# Altium PCB PCB1.pcbdoc (continued)
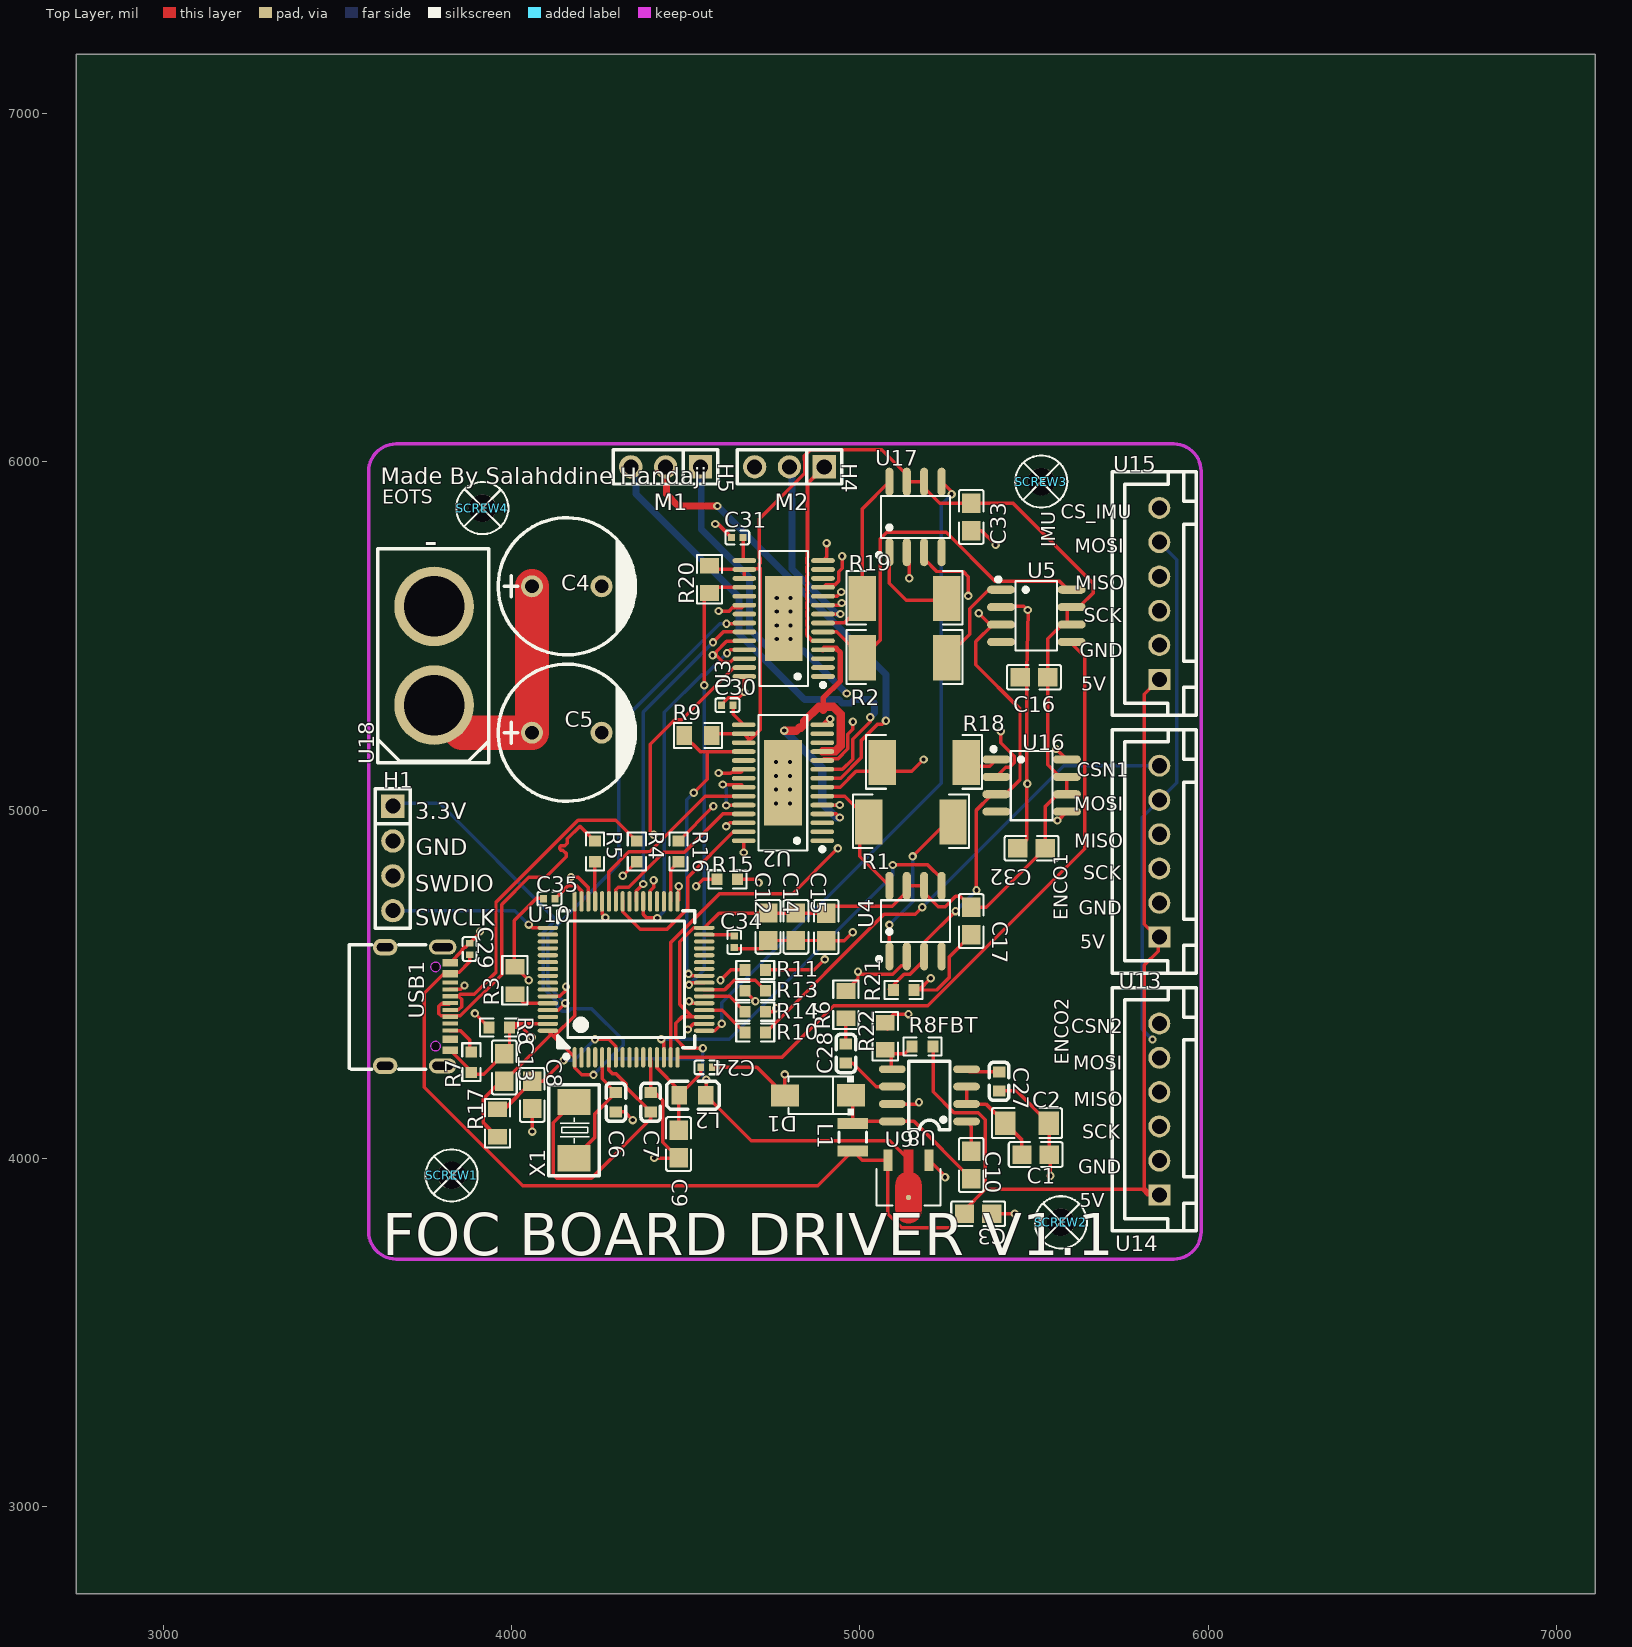
[diagram p0: Top Layer view]
## Components (designator, comment, footprint, x,y, rotation, side; value= is the part's Value field where it differs from the comment) (continued)
USB1 "TYPE-C 16PIN 2MD(073)" USB-C-SMD_TYPE-C-16PIN-2MD-073 3730.54,4436.14 r270 top
X1 "X50328MSB2GI" CRYSTAL-SMD_L5.0-W3.2 4179.45,4081.26 r90 top

## Footprints (in the part's own frame and the unit in brackets; to place one, negate y for a bottom-side part, rotate by r counter-clockwise, add the part's x,y. Pads: shape width x height; smd on the part's side, far side on the other; paste and mask are expansions set on the pad)
C0402 [mm]
  rect 0.5x0.54 smd: 1(-0.42,0) 2(0.42,0)
  silkscreen extent -0.87,-0.5 0.87,0.5
C0603 [mm]
  rect 0.8x0.9 smd: 1(-0.7,0) 2(0.7,0)
  silkscreen extent -1.39,-0.71 1.39,0.71
C0805 [mm]
  rect 1.41x1.35 smd: 1(-1,0) 2(1,0)
  silkscreen extent -1.96,-0.9 1.96,0.9
C1206 [mm]
  rect 1.485x1.728 smd: 1(-1.593,0) 2(1.593,0)
  silkscreen extent -2.56,-1.09 2.56,1.09
CAP-TH_BD10.0-P5.00-D1.0-FD [mm]
  round 1.6 hole 1: 1(-2.54,0) 2(2.54,0)
  silkscreen extent -5,-5 5.08,5
CONN-TH_6P-P2.50_ZX-XH2.54-6PZZ [mm]
  rect 1.524x1.6 hole 1.1: 1(-6.25,0)
  round 1.6 hole 1.1 copper offset 0,0: 2(-3.75,0) 4(1.25,0) 5(3.75,0) 6(6.25,0)
  round 1.6 hole 1.1: 3(-1.25,0)
  silkscreen extent -8.87,-2.68 8.87,3.42
CONN-TH_XT60 [mm]
  round 5.8 hole 4.4: 1(-3.6,0) 2(3.6,0)
  silkscreen extent -7.8,-4 7.8,4.1
CRYSTAL-SMD_L5.0-W3.2 [mm]
  rect 1.9x2.4 smd: 1(-2.05,0) 2(2.05,0)
  silkscreen extent -3.32,-1.85 3.33,1.85
HDR-TH_3P-P2.54-V-M [mm]
  rect 1.7x1.7 hole 1.1: 1(-2.54,0)
  round 1.7 hole 1.1: 2(0,0) 3(2.54,0)
  silkscreen extent -3.81,-1.25 3.81,1.25
HDR-TH_4P-P2.54-V-M [mm]
  rect 1.7x1.7 hole 1.1: 1(-3.81,0)
  round 1.7 hole 1.1: 2(-1.27,0) 3(1.27,0) 4(3.81,0)
  silkscreen extent -5.08,-1.27 5.08,1.27
HTSSOP-28_L9.8-W4.5-P0.65-LS6.6-BL-EP [mm]
  oval 0.343x1.731 smd: 1(-4.225,-2.866) 2(-3.575,-2.866) 3(-2.925,-2.866) 4(-2.275,-2.866) 5(-1.625,-2.866) 6(-0.975,-2.866) 7(-0.325,-2.866) 8(0.325,-2.866) 9(0.975,-2.866) 10(1.625,-2.866) 11(2.275,-2.866) 12(2.925,-2.866) 13(3.575,-2.866) 14(4.225,-2.866) 15(4.225,2.866) 16(3.575,2.866) 17(2.925,2.866) 18(2.275,2.866) 19(1.625,2.866) 20(0.975,2.866) 21(0.325,2.866) 22(-0.325,2.866) 23(-0.975,2.866) 24(-1.625,2.866) 25(-2.275,2.866) 26(-2.925,2.866) 27(-3.575,2.866) 28(-4.225,2.866)
  rect 6.2x2.75 smd: 29(0,0)
  silkscreen extent -5,-3.02 4.93,1.77
IND-SMD_L2.5-W2.0_MHCHL2520 [mm]
  rect 0.8x2.2 smd: 1(-1,0) 2(1,0)
  silkscreen extent -0.37,-1 0.37,1
L0805 [mil]
  rect 44.59x54.21 smd: 1(-38.04,0) 2(38.04,0)
  silkscreen extent -77,-40 73,40
LQFP-64_L10.0-W10.0-P0.50-LS12.0-BL [mm]
  oval 0.3x1.5 smd: 1(-3.75,-5.688) 2(-3.25,-5.688) 3(-2.75,-5.688) 4(-2.25,-5.688) 5(-1.75,-5.688) 6(-1.25,-5.688) 7(-0.75,-5.688) 8(-0.25,-5.688) 9(0.25,-5.688) 10(0.75,-5.688) 11(1.25,-5.688) 12(1.75,-5.688) 13(2.25,-5.688) 14(2.75,-5.688) 15(3.25,-5.688) 16(3.75,-5.688) 33(3.75,5.688) 34(3.25,5.688) 35(2.75,5.688) 36(2.25,5.688) 37(1.75,5.688) 38(1.25,5.688) 39(0.75,5.688) 40(0.25,5.688) 41(-0.25,5.688) 42(-0.75,5.688) 43(-1.25,5.688) 44(-1.75,5.688) 45(-2.25,5.688) 46(-2.75,5.688) 47(-3.25,5.688) 48(-3.75,5.688)
  oval 1.5x0.3 smd: 17(5.7,-3.738) 18(5.7,-3.238) 19(5.7,-2.738) 20(5.7,-2.238) 21(5.7,-1.738) 22(5.7,-1.238) 23(5.7,-0.738) 24(5.7,-0.238) 25(5.7,0.262) 26(5.7,0.762) 27(5.7,1.262) 28(5.7,1.762) 29(5.7,2.262) 30(5.7,2.762) 31(5.7,3.262) 32(5.7,3.762) 49(-5.7,3.762) 50(-5.7,3.262) 51(-5.7,2.762) 52(-5.7,2.262) 53(-5.7,1.762) 54(-5.7,1.262) 55(-5.7,0.762) 56(-5.7,0.262) 57(-5.7,-0.238) 58(-5.7,-0.738) 59(-5.7,-1.238) 60(-5.7,-1.738) 61(-5.7,-2.238) 62(-5.7,-2.738) 63(-5.7,-3.238) 64(-5.7,-3.738)
  silkscreen extent -5,-5.78 5,5.01
R0603 [mil]
  rect 31.75x34.02 smd: 1(-29.66,0) 2(29.66,0)
  silkscreen extent -55,-26 55,26
R0805 [mm]
  rect 1.133x1.377 smd: 1(-1,0) 2(1,0)
  silkscreen extent -1.76,-0.92 1.76,0.92
RES-SMD_L6.4-W3.2-R2512 [mm]
  rect 2x3.3 smd: 1(-3.066,0) 2(3.066,0)
  silkscreen extent -4.23,-1.91 4.23,2.01
Screw-Hole-M2 [mm]
  round 2 hole 2: 1(0,0)
  silkscreen extent -1.9,-1.9 1.9,1.9
SMA_L4.3-W2.6-LS5.0-RD [mm]
  rect 2.046x1.62 smd: 1(-2.404,-0.009) 2(2.404,0.009)
  silkscreen extent -2.61,-1.44 2.16,1.44
SOIC-8_L4.9-W3.9-P1.27-LS6.0-BL [mm]
  oval 0.588x2.045 smd: 1(-1.905,-2.57) 2(-0.635,-2.57) 3(0.635,-2.57) 4(1.905,-2.57) 5(1.905,2.57) 6(0.635,2.57) 7(-0.635,2.57) 8(-1.905,2.57)
  silkscreen extent -2.8,-2.92 2.53,1.52
SOIC-8_L5.0-W4.0-P1.27-LS6.0-BL [mil]
  oval 22.38x76.78 smd: 1(-75,-106.5) 2(-25,-106.5) 3(25,-106.5) 4(75,-106.5) 5(75,106.5) 6(25,106.5) 7(-25,106.5) 8(-75,106.5)
  silkscreen extent -98,-59 98,59
SOT-89-3_L4.5-W2.5-P1.50-LS4.2-BR [mm]
  rect 1.575x0.672 smd: 1(1.356,-1.5) 3(1.356,1.5)
  round 0.38 smd: 2(-1.356,0)
  Top Layer region: -2.283,0.95 -0.429,0.95 -0.384,0.949 -0.34,0.946 -0.296,0.94 -0.252,0.933 -0.208,0.924 -0.165,0.912 -0.123,0.899 -0.081,0.884 -0.04,0.866 0,0.847 0.04,0.826 0.078,0.803 0.115,0.779 0.151,0.752 0.185,0.724 0.219,0.695 0.251,0.664 0.281,0.631 0.31,0.597 0.337,0.562 0.362,0.525 0.386,0.488 0.408,0.449 0.428,0.409 0.447,0.33 2.144,0.33 2.144,-0.33 0.447,-0.33 0.428,-0.409 0.408,-0.449 0.386,-0.488 0.362,-0.526 0.337,-0.562 0.31,-0.597 0.281,-0.631 0.251,-0.664 0.219,-0.695 0.185,-0.725 0.151,-0.753 0.115,-0.779 0.078,-0.804 0.04,-0.827 0,-0.848 -0.04,-0.867 -0.081,-0.884 -0.123,-0.899 -0.165,-0.913 -0.208,-0.924 -0.252,-0.934 -0.296,-0.941 -0.34,-0.946 -0.384,-0.949 -0.429,-0.95 -2.283,-0.95 -2.328,-0.949 -2.372,-0.946 -2.416,-0.941 -2.46,-0.934 -2.504,-0.924 -2.547,-0.913 -2.589,-0.899 -2.631,-0.884 -2.672,-0.867 -2.713,-0.848 -2.752,-0.827 -2.79,-0.804 -2.827,-0.779 -2.863,-0.753 -2.898,-0.725 -2.931,-0.695 -2.963,-0.664 -2.993,-0.631 -3.022,-0.597 -3.049,-0.562 -3.075,-0.526 -3.098,-0.488 -3.12,-0.449 -3.141,-0.409 -3.159,-0.369 -3.175,-0.327 -3.189,-0.285 -3.202,-0.242 -3.212,-0.199 -3.22,-0.155 -3.227,-0.111 -3.231,-0.067 -3.233,-0.022 -3.233,0.022 -3.231,0.067 -3.227,0.111 -3.22,0.155 -3.212,0.199 -3.202,0.242 -3.189,0.285 -3.175,0.327 -3.159,0.369 -3.141,0.409 -3.12,0.449 -3.098,0.488 -3.075,0.525 -3.049,0.562 -3.022,0.597 -2.993,0.631 -2.963,0.664 -2.931,0.695 -2.898,0.724 -2.863,0.752 -2.827,0.779 -2.79,0.803 -2.752,0.826 -2.713,0.847 -2.672,0.866 -2.631,0.884 -2.589,0.899 -2.547,0.912 -2.504,0.924 -2.46,0.933 -2.416,0.94 -2.372,0.946 -2.328,0.949
  silkscreen extent -1.95,-2.33 0.7,2.33
USB-C-SMD_TYPE-C-16PIN-2MD-073 [mm]
  oval 1.2x1.8 hole 0.6 slot 1.2 at 90 deg: 13(-4.325,-2.375) 14(4.325,-2.375)
  oval 1.1x2 hole 0.6 slot 1.5 at 90 deg: 13(-4.325,1.825) 14(4.325,1.825)
  rect 0.55x1.1 smd: A1B12(-3.2,2.375) A4B9(-2.4,2.375) B1A12(3.2,2.375) B4A9(2.4,2.375)
  rect 0.3x1.1 smd: A5(-1.25,2.375) A6(-0.25,2.375) A7(0.25,2.375) A8(1.25,2.375) B5(1.75,2.375) B6(0.75,2.375) B7(-0.75,2.375) B8(-1.75,2.375)
  Board Outline Layer circle w0.005: c-2.89,1.305 r0.35
  Board Outline Layer circle w0.005: c2.89,1.305 r0.35
  Board Outline Layer region: -2.89,1.655 -2.738,1.62 -2.616,1.523 -2.549,1.383 -2.549,1.227 -2.616,1.087 -2.738,0.99 -2.89,0.955 -2.89,0.955 -3.042,0.99 -3.164,1.087 -3.231,1.227 -3.231,1.383 -3.164,1.523 -3.042,1.62 -2.89,1.655
  Board Outline Layer region: 2.89,1.655 3.042,1.62 3.164,1.523 3.231,1.383 3.231,1.227 3.164,1.087 3.042,0.99 2.89,0.955 2.89,0.955 2.738,0.99 2.616,1.087 2.549,1.227 2.549,1.383 2.616,1.523 2.738,1.62 2.89,1.655
  Multi-Layer board cut-out: -2.89,1.655 -2.738,1.62 -2.616,1.523 -2.549,1.383 -2.549,1.227 -2.616,1.087 -2.738,0.99 -2.89,0.955 -2.89,0.955 -3.042,0.99 -3.164,1.087 -3.231,1.227 -3.231,1.383 -3.164,1.523 -3.042,1.62 -2.89,1.655
  Multi-Layer board cut-out: 2.89,1.655 3.042,1.62 3.164,1.523 3.231,1.383 3.231,1.227 3.164,1.087 3.042,0.99 2.89,0.955 2.89,0.955 2.738,0.99 2.616,1.087 2.549,1.227 2.549,1.383 2.616,1.523 2.738,1.62 2.89,1.655
  silkscreen extent -4.5,-4.97 4.57,0.6

## Via types
v1: diameter 24.02, hole 12.01, Top Layer to Bottom Layer, 93 vias
v2: diameter 23.62, hole 11.81, Top Layer to Bottom Layer, 16 vias

## Nets (pads, with @x,y where several pads share a name; then routed paths per layer and width w, separated by ;. In a path a pad name is that pad's centre, name@x,y a point inside that pad or via, vN(x,y) a via of type N, cw(c..) or ccw(c..) an arc to the next point about the centre after c; other vN are vias at no path point)
3.3V: C12.1 C13.1 C14.1 C15.1 C16.2 C17.1 C32.1 C33.2 H1.1 L2.1 R9.2 R17.1 R20.2 U2.16 U2.17 U3.16 U3.17 U4.6 U4.7 U5.6 U5.7 U9.2 U10.1 U10.19 U10.32 U10.48 U10.64 U16.6 U16.7 U17.6 U17.7 | length 8293.2
  Top Layer w10: R17.1 3919.45,4101.89 3919.45,4171.89 3969.45,4221.89 C13.1 4111.16,4353.61 4111.16,4359.94 ; U10.64 4111.16,4359.94 ; U10.48 4181.16,4409.94 4121.16,4349.94 ; v1(4235.26,4239.94) 4201.16,4239.94 4181.16,4259.94 U10.1 4121.16,4349.94 ; v1(4549.12,4316.08) 4497.81,4316.08 4470.77,4343.12 4470.77,4387.58 4489.27,4406.08 4519.12,4406.08 ; U10.19 4519.12,4406.08 ; v1(4559.12,4226.08) 4559.12,4182.9 L2.1 4687.49,4051.26 5086.06,4051.26 5139.45,3997.86 U9.2 ; R20.2 4579.15,5690.54 U3.16 ; R9.2 4579.85,5219.14 U2.16 4683.03,5202.44 4684.45,5202.44 ; U2.17 4675.56,5193.55 4684.45,5202.44 ; U3.17 U3.16 ; 4111.16,4359.94 4121.16,4349.94 ; 4519.12,4406.08 4483.21,4441.99 4483.21,4621.99 4523.21,4661.99 U10.32 4595.57,4704.35 C12.1 C14.1 4902.61,4704.35 C15.1 4923.16,4723.79 5093.16,4723.79 5134.45,4765.07 U4.7 U4.6 5184.45,4762.44 5224.45,4722.44 5244.45,4722.44 5274.45,4752.44 5287.64,4752.44 C17.1 5362.43,4720.63 C32.1 5532.12,5010.32 5562.12,5040.32 5588.93,5040.32 U16.6 U16.7 5573.93,5095.32 5538.82,5130.44 C16.2 5538.82,5491.26 5578.82,5531.26 5591.69,5531.26 5595.21,5534.77 5595.21,5584.77 5631.41,5584.77 5669.09,5622.46 5669.09,5650.98 5439.44,5880.63 C33.2 5229.45,5880.63 5189.45,5920.63 5189.45,5937.44 U17.6 U17.7 5130.43,5946.46 5130.43,5966.46 5062.83,6034.06 4858.03,6034.06 4840.43,6016.46 4840.43,6005.26 4842.13,6003.57 4842.13,5966.75 4710.43,5835.05 4710.43,5726.35 4713.3,5723.48 4713.3,5708.78 4710.43,5705.91 4710.43,5696.46 4714.45,5692.44 ; U3.16 4670.14,5692.44 4714.45,5692.44 ; 4684.45,5202.44 4714.45,5232.44 4714.45,5692.44
  Bottom Layer w10: H1.1 3667.29,5019.1 3794.01,5019.1 4119.9,4693.21 4119.9,4677.29 4090.38,4647.77 4090.38,4489.97 4131.4,4448.94 4131.4,4436.25 4144.87,4422.78 4163.92,4422.78 4170.24,4429.1 4230.28,4429.1 4320.28,4339.1 4320.28,4324.96 4285.26,4289.94 ; v1(4235.26,4239.94) 4285.26,4289.94 ; v1(4549.12,4316.08) 4549.12,4286.08 ; v1(4559.12,4226.08) 4549.12,4236.08 4549.12,4286.08 ; 4285.26,4289.94 4289.12,4286.08 4549.12,4286.08
5V: C3.2 C29.2 L1.2 R8FBT.2 U9.3 U13.1 U14.1 U15.1 USB1.A4B9 | length 5029.1
  Top Layer w10: USB1.A4B9 USB1.A4B9@3819.45,4534.72 ; C29.2 3879.45,4564.72 3849.45,4534.72 USB1.A4B9@3819.45,4534.72 ; R8FBT.2 5210.08,4320.29 5210.08,4191.26 5270.08,4131.26 5340.08,4131.26 5360.08,4111.26 5360.08,3911.26 ; U14.1 U14.1@5836.15,3895.18 ; U13.1 U13.1@5856.15,4631.89 ; U15.1 5816.15,5331.89 5816.15,4671.89 U13.1@5856.15,4631.89 ; USB1.A4B9@3819.45,4534.72 3809.45,4534.72 3749.45,4474.72 3749.45,4204.72 4032.28,3921.89 4879.45,3921.89 L1.2 5006.68,3994.65 U9.3 5080.39,3840.94 5120.08,3801.26 5260.08,3801.26 C3.2 5300.08,3851.26 5360.08,3911.26 ; 5360.08,3911.26 5810.08,3911.26 5826.15,3895.18 U14.1@5836.15,3895.18 ; U14.1@5836.15,3895.18 5816.15,3915.18 5816.15,4555.18 5856.15,4595.18 U13.1@5856.15,4631.89
$1N2967: C34.1 U10.31 | length 87.5
  Top Layer w10: U10.31 4629.21,4642.3 4633.16,4638.35 C34.1
$1N3003: C35.1 U10.47 | length 128.5
  Top Layer w10: C35.1 4125.09,4746.1 4162.43,4783.44 4185.25,4783.44 4200.85,4767.83 U10.47
$1N3669: C6.1 U10.5 X1.1 | length 355.5
  Top Layer w10: X1.1 4239.45,4060.55 4239.45,4128.82 C6.1 4259.9,4228.36 U10.5
$1N3715: C7.2 U10.6 X1.2 | length 819.4
  Top Layer w10: X1.2 4119.45,4101.97 4119.45,3953.7 4129.45,3943.7 4229.45,3943.7 4399.45,4113.7 C7.2 4329.45,4203.7 4329.45,4213.7 4299.45,4243.7 4289.45,4243.7 4279.59,4253.55 U10.6
$1N4271: C9.1 C24.2 L2.2 U10.13 | length 345.2
  Top Layer w10: U10.13 4417.38,4259.94 4476.07,4201.26 L2.2@4501.41,4201.26 ; C9.1 4479.45,4179.3 L2.2 L2.2@4501.41,4201.26 ; C24.2 4542.91,4242.76 L2.2@4501.41,4201.26
$1N4284: R3.1 U10.60 | length 105.9
  Top Layer w10: R3.1 4035.89,4445.45 U10.60
$1N4303: C8.1 R17.2 U10.7 | length 463.6
  Top Layer w10: R17.2 3978.19,4140.63 C8.1 4089.45,4221.89 v1(4149.45,4281.89) ; v1(4239.45,4341.89) 4279.45,4341.89 4299.45,4321.89 U10.7
  Bottom Layer w10: v1(4149.45,4281.89) 4179.45,4281.89 v1(4239.45,4341.89)
$1N4778: R5.2 U10.45 | length 114.1
  Top Layer w10: R5.2 4239.45,4738.61 U10.45
$1N4785: R4.2 U10.44 | length 247.5
  Top Layer w10: U10.44 4259.9,4701.14 v1(4269.45,4691.6) ; v1(4319.45,4811.6) R4.2
  Inner2 w10: v1(4269.45,4691.6) 4319.45,4741.6 v1(4319.45,4811.6)
$1N5055: C1.1 C2.1 U8.2 U8.3 | length 293.6
  Top Layer w10: U8.3 U8.2 5361.75,4156.26 C2.1 5465.08,4052.93 C1.1
$1N5161: C10.2 D1.1 L1.1 U8.8 | length 493.6
  Top Layer w10: D1.1 4979.45,4176.27 L1.1 4985.08,4106.26 U8.8 5155.08,4106.26 C10.2
$1N5165: C10.1 U8.1 | length 91.2
  Top Layer w10: U8.1 5319.45,4092.76 C10.1
$1N5210: R8FBT.1 R22.1 U8.5 | length 131.6
  Top Layer w10: R22.1@5079.45,4311.6 5081.77,4311.6 5089.45,4303.92 R22.1@5089.45,4301.6 ; U8.5 5089.45,4259.76 R22.1@5089.45,4301.6 ; R8FBT.1 5129.08,4300.55 5090.5,4300.55 R22.1@5089.45,4301.6
$1N5365: C28.2 R6.1 | length 73.1
  Top Layer w10: C28.2 R6.1
$1N5369: C28.1 U8.6 | length 161.4
  Top Layer w10: C28.1 4979.45,4273.7 5046.89,4206.26 U8.6
$1N5416: C27.2 U8.4 | length 96.6
  Top Layer w10: U8.4 5313.39,4248.82 C27.2
$1N5519: R7.2 USB1.B5 | length 103.4
  Top Layer w10: USB1.B5 3853.13,4367.23 3879.45,4340.92 3879.45,4310.92 R7.2
$1N5572: R8.2 USB1.A5 | length 194.3
  Top Layer w10: USB1.A5 3853.87,4485.34 v1(3864.79,4496.26) ; v1(3894.79,4416.26) R8.2
  Inner2 w10: v1(3864.79,4496.26) 3894.79,4466.26 v1(3894.79,4416.26)
$1N6342: C30.2 U2.15 | length 69.1
  Top Layer w10: C30.2 4635.99,5275.07 U2.15
$1N6399: C31.2 U3.15 | length 67.8
  Top Layer w10: C31.2 4664.47,5719.89 U3.15
$1N7552: R10.2 U10.20 | length 143.3
  Top Layer w10: U10.20 4605.28,4425.77 R10.2
$1N7595: R11.2 U10.21 | length 243.1
  Top Layer w10: v1(4509.79,4451.26) 4515.6,4445.45 U10.21 ; v1(4599.79,4511.26) 4629.79,4541.26 R11.2
  Inner2 w10: v1(4509.79,4451.26) 4569.79,4511.26 v1(4599.79,4511.26)
$1N7681: R13.2 U10.23 | length 199.3
  Top Layer w10: U10.23 4612.67,4484.82 4639.11,4511.26 4699.11,4511.26 R13.2
$1N7725: R14.2 U10.22 | length 134.8
  Top Layer w10: U10.22 4625.91,4465.14 R14.2
$1N7772: R15.1 U10.33 | length 163.1
  Top Layer w10: U10.33 4479.79,4741.18 v1(4479.79,4781.26) ; v1(4529.79,4781.26) 4549.79,4801.26 R15.1
  Inner2 w10: v1(4479.79,4781.26) v1(4529.79,4781.26)
$1N9713: R16.1 U10.34 | length 123.2
  Top Layer w10: U10.34 4456.75,4828.91 R16.1
CS_IMU: R16.2 U15.6 | length 1941.9
  Top Layer w10: R16.2 v1(4579.45,5010.92)
  Inner2 w10: v1(4579.45,5010.92) 4607.31,5038.78 4707.79,5038.78 4750.03,4996.54 4808.28,4996.54 4821.63,5009.89 4821.63,5233.11 5392.98,5804.45 5796.56,5804.45 U15.6
CSN1: R10.1 U13.6 | length 1447.7
  Top Layer w10: R10.1 5069.11,4701.26 5159.11,4701.26 v1(5179.11,4721.26)
  Bottom Layer w10: v1(5179.11,4721.26) 5585.18,5127.33 U13.6
CSN2: R15.2 U14.6 | length 1422.8
  Top Layer w10: R15.2 4699.11,4801.26 v1(4709.11,4791.26)
  Inner2 w10: v1(4709.11,4791.26) 4709.11,4721.26 5039.11,4391.26 5855.52,4391.26 U14.6
CURR_A1: U4.5 U10.14 | length 1121.7
  Top Layer w10: v1(4429.57,4342.44) 4437.07,4334.94 U10.14 ; v1(5094.45,4842.44) 5194.45,4842.44 5234.45,4802.44 U4.5
  Bottom Layer w10: v1(4429.57,4342.44) 4624.45,4342.44 5094.45,4812.44 v1(5094.45,4842.44)
CURR_A2: U5.5 U10.16 | length 2036.6
  Top Layer w10: U10.16 4776.44,4289.94 4925.21,4438.7 5195.21,4438.7 5645.21,4888.7 5645.21,5439.98 5600.41,5484.77 U5.5@5595.21,5484.77
CURR_B1: U10.15 U16.5 | length 1622.7
  Top Layer w10: U10.15 4456.75,4619.94 4596.75,4759.94 4806.75,4759.94 v1(4936.75,4889.94) ; v1(5566.75,4969.94) 5568.55,4969.94 U16.5
  Inner2 w10: v1(4936.75,4889.94) 5486.75,4889.94 v1(5566.75,4969.94)
CURR_B2: U10.17 U17.5 | length 1899.3
  Top Layer w10: U10.17 4583.21,4366.71 v1(4603.21,4386.71) ; U17.5 5263.21,5913.67 v1(5263.21,5906.71)
  Bottom Layer w10: v1(4603.21,4386.71) 4603.21,4446.71 5233.21,5076.71 5233.21,5876.71 v1(5263.21,5906.71)
GND: C1.2 C2.2 C3.1 C4.2 C5.2 C6.2 C7.1 C8.2 C9.2 C12.2 C13.2 C14.2 C15.2 C16.1 C17.2 C24.1 C27.1 C29.1 C30.1 C31.1 C32.2 C33.1 C34.2 C35.2 D1.2 H1.2 R3.2 R6.2 R7.1 R8.1 R21.1 R22.2 U2.10 U2.14 U2.20 U2.28 U3.10 U3.14 U3.20 U3.28 U4.2 U5.2 U8.7 U9.1 U10.12 U10.18 U10.63 U13.2 U14.2 U15.2 U16.2 U17.2 U18.2 USB1.A1B12 USB1.B1A12 | length 5164.3
  Top Layer w10: USB1.B1A12 3884.45,4249.76 R7.1 3884.45,4245.92 3889.11,4241.26 3920.08,4241.26 C13.2 3994.11,4315.29 R8.1 ; USB1.A1B12 3857.83,4595.91 3857.83,4599.11 3864.27,4605.55 3867.2,4605.55 C29.1 3909.45,4647.8 v1(3909.45,4651.26) ; v1(4049.56,4511.26) 4010.19,4550.63 R3.2 4007.44,4552.64 4007.44,4682.91 4070.79,4746.26 4091.07,4746.26 C35.2 ; v1(4057.88,4347.83) 4029.45,4376.26 R8.1 ; v1(4059.45,4077.06) C8.2 ; U10.63 4004.25,4386.4 R8.1 ; C6.2 4324.53,4133.7 v1(4348.12,4110.11) ; U10.12 4399.45,4288.2 C7.1 4411.89,4188.82 4434.45,4166.26 4434.45,4046.89 C9.2 4478.82,4001.26 v1(4409.45,4001.26) ; v1(4505.92,4369.95) 4522.36,4386.4 U10.18 ; C24.1 4704.43,4261.26 D1.2 4784.8,4240.9 v1(4784.45,4241.26) ; v1(4584.45,5821.26) 4592.52,5821.26 C31.1 ; v1(4594.45,5106.26) 4628.99,5106.26 4631.65,5108.92 4658.48,5108.92 U2.20 ; v1(4594.45,5571.26) 4624.49,5571.26 4633.56,5580.33 4660.38,5580.33 U3.20 ; C30.1 4602.91,5304.19 4621.6,5322.87 4652.17,5322.87 v1(4668.24,5338.94) U3.28 ; C34.2 4639.45,4604.88 4639.45,4602.43 4721.14,4602.43 4736.29,4617.57 C12.2 C14.2 4902.61,4625.61 C15.2 4955.12,4625.05 v1(4979.49,4649.42) ; v1(4666.33,4878.23) U2.28 ; U2.10 4896.74,5147.13 4937.06,5147.13 4965.43,5175.5 4965.43,5217.07 4979.81,5231.44 v1(4979.81,5253.31) ; U2.14 4908.51,5261.26 v1(4914.45,5261.26) ; U3.10 4934.28,5613.77 v1(4946.26,5625.75) ; U3.14 4904.45,5726.69 v1(4904.45,5766.26) ; R6.2 4994.45,4515.63 v1@4994.45,4533.62 ; v1@4993.47,4534.59 v1@4994.45,4533.62 ; R22.2@5079.45,4370.92 5079.45,4397.6 5096.1,4414.25 v1(5139.45,4414.25) ; U8.7 5164.45,4156.26 v1(5169.45,4161.26) ; U4.2@5132.33,4553.11 5118.06,4553.11 5093.76,4528.81 4999.26,4528.81 v1@4994.45,4533.62 ; U17.2 5141.41,5733.12 v1(5141.41,5665.38) ; R21.1 R21.1@5169.39,4483.53 ; U9.1 5244.45,3948.71 v1(5244.45,3946.26) ; v1(5203.27,4517.4) R21.1@5169.39,4483.53 ; C17.2 5257.01,4579.45 5257.01,4520.33 5220.21,4483.53 R21.1@5169.39,4483.53 ; C33.1 5348.82,5801.89 v1(5389.45,5761.26) ; C3.1 v1(5444.45,3841.26) ; U16.2 5419.01,5122.77 5429.6,5122.77 5442.81,5135.98 5442.81,5154.67 5404.45,5193.03 v1(5404.45,5226.26) ; U5.2@5392.85,5584.77 5470.64,5584.77 5483.64,5571.78 5478.6,5398.73 C16.1 5479.45,5361.89 5479.45,4916.39 C32.2 ; C27.1 5449.71,4193.7 C2.2 5543.82,4099.59 C1.2 5546.87,4008.21 v1(5546.87,3950.42)
  other v1: 4994.45,4536.26 5480.63,5075.74 5481.91,5574.12
GPIO1: U2.22 U2.24 U2.26 U10.59 | length 1011.9
  Top Layer w10: U10.59 4138.24,4465.14 4156.33,4483.23 v1(4156.33,4493.23) ; v1(4606.33,5073.23) 4658.7,5073.23 U2.22 ; v1(4616.33,4953.23) 4626.33,4963.23 U2.26 ; v1(4616.33,5013.23) 4665.15,5013.23 U2.24
  Inner2 w10: v1(4156.33,4493.23) v1(4616.33,4953.23) v1(4616.33,5013.23)
  Bottom Layer w10: v1(4606.33,5073.23) 4616.33,5063.23 v1(4616.33,5013.23)
GPIO2: U3.22 U3.24 U3.26 U10.61 | length 1758.4
  Top Layer w10: U10.61 4134.39,4425.77 v1(4154.39,4445.77) ; v1(4577.06,5444.63) v1@4587.06,5444.63 ; v1(4617.06,5534.63) 4665.87,5534.63 U3.22 ; U3.26 4638.24,5434.63 4628.24,5424.63 4607.06,5424.63 v1@4587.06,5444.63 ; U3.24 4667.06,5484.63 4617.06,5484.63 4587.06,5454.63 v1@4587.06,5444.63
  Inner2 w10: v1(4577.06,5444.63) 4617.06,5484.63 v1(4617.06,5534.63)
  Bottom Layer w10: v1(4154.39,4445.77) 4104.39,4495.77 4104.39,4641.97 4307.06,4844.63 4307.06,5244.63 4597.06,5534.63 v1(4617.06,5534.63)
GPIO3: R20.1 U3.18 U10.24 | length 1302.4
  Top Layer w10: v1(4509.43,4498.3) 4515.64,4504.51 U10.24 ; v1(4553.21,5358.3) 4553.21,5608.3 R20.1 4584.28,5639.36 U3.18
  Bottom Layer w10: v1(4509.43,4498.3) 4553.21,4542.08 v1(4553.21,5358.3)
GPIO4: R9.1 U2.18 U10.25 | length 901.6
  Top Layer w10: R9.1 4541.52,5167.96 4561.52,5167.96 ; v1(4507.76,4529.65) 4513.21,4524.19 U10.25 ; v1(4523.21,5049.65) 4561.52,5087.96 4561.52,5167.96 ; U2.18 4561.52,5167.96
  Bottom Layer w10: v1(4507.76,4529.65) 4503.21,4534.19 4503.21,5029.65 v1(4523.21,5049.65)
INAGND: R21.2 U4.3 U5.3 U16.3 U17.3 | length 1646
  Top Layer w10: R21.2@5083.73,4485.99 5126.57,4528.84 5143.79,4528.84 5180.41,4565.46 U4.3@5180.41,4570.33 ; U4.3 5184.45,4620.08 v1(5274.45,4710.08) ; U17.3 5184.45,5721.35 5221.02,5684.77 5295.93,5684.77 5311.02,5669.69 v1(5311.02,5614.77) ; v1(5334.45,4770.08) 5334.45,5000.08 5374.45,5040.08 5386.33,5040.08 U16.3 5417.7,5045.32 5459.45,5087.07 5459.45,5290 5332.85,5416.6 5332.85,5483.71 5381.02,5531.88 U5.3@5381.02,5534.77 ; v1(5341.02,5564.77) 5371.02,5534.77 U5.3@5381.02,5534.77 ; U5.3@5392.85,5534.77 U5.3@5381.02,5534.77
  Inner2 w10: v1(5311.02,5614.77) 5341.02,5584.77 v1(5341.02,5564.77)
  Bottom Layer w10: v1(5274.45,4710.08) v1(5334.45,4770.08)
MISO: R14.1 U13.4 U14.4 U15.4 | length 3145.1
  Top Layer w10: R14.1 4749.11,4421.26 v1(4759.11,4431.26)
  Inner2 w10: v1(4759.11,4431.26) 4999.11,4191.26 5809.11,4191.26 ; U14.4 5858.66,4191.26 5809.11,4191.26 ; U15.4 5909.45,5620.47 5909.45,4980.47 U13.4 5929.11,4860.81 5929.11,4101.26 5869.11,4041.26 5849.11,4041.26 5809.11,4081.26 5809.11,4191.26
MOSI: R13.1 U13.5 U14.5 U15.5 | length 2833.1
  Top Layer w10: R13.1 v1(4699.79,4451.26)
  Inner2 w10: v1(4699.79,4451.26) 4709.79,4461.26 4769.79,4461.26 4939.79,4291.26 U14.5@5849.79,4291.26 ; v1(5839.79,4341.26) 5849.79,4331.26 U14.5@5849.79,4291.26 ; U14.5 U14.5@5849.79,4291.26
  Bottom Layer w10: v1(5839.79,4341.26) 5809.79,4371.26 5809.79,4979.24 U13.5 5909.45,5078.9 5909.45,5718.9 U15.5
OUT1M1: H5.1 U2.5 | length 1258
  Top Layer w10: U2.5 v1(4941.98,5014.41)
  Inner2 w10: v1(4941.98,5014.41) 4941.98,5314.41 v1(4961.98,5334.41)
  Bottom Layer w19.68: H5.1@4544.45,5986.26 4544.45,5806.08 4683.19,5667.34 4683.19,5519.37 4745.47,5457.09 4839.3,5457.09 v1(4961.98,5334.41)
OUT1M2: H4.1 U3.5 | length 571.5
  Top Layer w11.81: U3.5 4863.23,5485.81 4849.88,5499.15 4849.88,5501.71 4847.91,5503.68 4847.91,5519.12 4849.88,5521.09 4849.88,5527.31 4847.91,5529.28 4847.91,5544.72 4849.88,5546.69 4849.88,5552.9 4847.91,5554.87 4847.91,5570.31 4849.88,5572.28 4849.88,5578.49 4847.91,5580.46 4847.91,5595.9 4849.88,5597.87 4849.88,5604.08 4847.91,5606.05 4847.91,5621.49 4849.88,5623.46 4849.88,5629.67 4847.91,5631.64 4847.91,5647.08 4849.88,5649.05 4849.88,5655.26 4847.91,5657.23 4847.91,5672.67 4849.88,5674.64 4849.88,5680.85 4847.91,5682.82 4847.91,5698.26 4849.88,5700.23 4849.88,5706.44 4847.91,5708.41 4847.91,5723.85 4849.88,5725.82 4849.88,5937.61 H4.1@4898.56,5986.28
OUT2M1: H5.2 U2.8 | length 1336.5
  Top Layer w10: U2.8 4944.38,5091.19 5004.45,5151.26 5004.45,5200.4 5050.31,5246.26 5064.45,5246.26 v1(5074.45,5256.26)
  Top Layer w19.68: H5.2@4444.45,5986.26 4444.45,5906.69 4478.43,5872.72 v1(4590.87,5872.72)
  Bottom Layer w19.68: v1(4590.87,5872.72) 5074.45,5389.13 v1(5074.45,5256.26)
OUT2M2: H4.2 U3.8 | length 539.4
  Top Layer w10: U3.8 v1(4943.89,5562.59)
  Bottom Layer w19.68: H4.2@4798.56,5986.28 4798.56,5976.24 4804.58,5970.22 4804.58,5692.52 4934.51,5562.59 v1(4943.89,5562.59)
OUT3M1: H5.3 U2.9 | length 1374.6
  Top Layer w10: U2.9 4949.97,5116.78 4979.45,5146.26 4979.45,5203.15 5029.45,5253.15 v1(5029.45,5266.26)
  Bottom Layer w19.68: H5.3@4344.45,5986.26 4357.07,5973.64 4357.07,5907.74 4652.66,5612.14 4652.66,5505.72 4841.52,5316.87 4940.15,5316.87 4950.45,5306.57 4973.51,5306.57 4983.81,5316.87 5031.91,5316.87 5042.06,5306.72 5042.06,5278.88 v1(5029.45,5266.26)
OUT3M2: H4.3 U3.9 | length 673.9
  Top Layer w10: U3.9 4941.92,5588.18 v1(4947.9,5594.16)
  Inner2 w19.68: H4.3@4698.56,5986.28 4648.56,5986.28 4633.56,5971.28 4633.56,5842.15 4881.54,5594.16 v1(4947.9,5594.16)
PA8: U2.27 U10.41 | length 566.8
  Top Layer w10: U10.41 4319.16,4707.64 4369.16,4657.64 4446.33,4657.64 4506.33,4717.64 4506.33,4807.64 4636.33,4937.64 U2.27
PA9: U2.25 U10.42 | length 490.9
  Top Layer w10: U10.42 4299.27,4771.76 4306.33,4778.82 4336.33,4778.82 4436.33,4878.82 4496.33,4878.82 4606.33,4988.82 U2.25
PA10: U2.23 U10.43 | length 561.9
  Top Layer w10: U10.43 4279.59,4823.26 4336.33,4880 4396.33,4880 4556.33,5040 U2.23
PB8: U3.27 U10.37 | length 820.8
  Top Layer w10: U10.37 4397.7,4768.51 4407.7,4778.51 v1(4407.7,4798.51) ; v1(4408.24,4929.04) 4398.24,4939.04 4398.24,5189.04 4468.24,5259.04 4488.24,5259.04 4638.24,5409.04 U3.27
  Inner2 w10: v1(4407.7,4798.51) 4408.24,4799.04 v1(4408.24,4929.04)
PB9: U3.25 U10.38 | length 984.4
  Top Layer w10: U10.38@4378.24,4737.61 4378.24,4700.22 4388.24,4690.22 v1(4418.24,4690.22) ; v1(4618.24,5450.22) 4628.24,5460.22 U3.25
  Bottom Layer w10: v1(4418.24,4690.22) 4438.24,4710.22 4438.24,5280.22 4548.24,5390.22 4558.24,5390.22 v1(4618.24,5450.22)
PB10: U3.23 U10.39 | length 937.1
  Top Layer w10: U10.39 4358.33,4767.83 v1(4378.24,4787.73) ; v1(4578.24,5481.4) 4608.24,5511.4 U3.23
  Bottom Layer w10: v1(4378.24,4787.73) 4378.24,5281.4 v1(4578.24,5481.4)
SCK: R11.1 U13.3 U14.3 U15.3 | length 2813.6
  Top Layer w10: R11.1 4869.11,4541.26 v1(4899.11,4571.26)
  Inner2 w10: v1(4899.11,4571.26) 5549.11,4571.26 5809.11,4831.26 U13.3@5839.11,4831.26 ; U14.3 5909.11,4141.7 5909.11,4761.26 U13.3@5839.11,4831.26 ; U13.3 5858.66,4831.26 U13.3@5839.11,4831.26 ; U15.3 5809.11,5521.7 5809.11,4861.26 U13.3@5839.11,4831.26
SNS_N1: R1.2 U4.1 | length 441.7
  Top Layer w10: U4.1 v1(5084.45,4670.32) ; v1(5151.07,4866.95) R1.2@5241.07,4956.95
  Bottom Layer w10: v1(5084.45,4670.32) 5151.07,4736.95 v1(5151.07,4866.95)
SNS_N2: R2.2 U5.1 | length 268.8
  Top Layer w10: R2.2 5315.46,5504.19 5315.46,5577.39 5372.85,5634.77 U5.1@5392.85,5634.77
SNS_N11: R18.2 U16.1 | length 104.3
  Top Layer w10: R18.2@5295.17,5126.26 5372.51,5126.26 U16.1
SNS_N22: R19.2 U17.1 | length 273.3
  Top Layer w10: U17.1 5084.45,5651.26 5133.32,5602.39 R19.2@5248.65,5602.39
SNS_P1: R1.1 U2.6 U4.8 | length 375.1
  Top Layer w10: U2.6 4956.58,5040 4999.63,4996.95 4999.63,4956.95 4999.63,4867.26 U4.8
SNS_P2: R2.1 U3.6 U5.8 | length 1118.3
  Top Layer w10: U3.6 4933.2,5511.4 R2.1 5057.65,5487.82 5057.65,5777.82 5077.21,5797.39 5247.21,5797.39 5387.21,5657.39 5572.59,5657.39 U5.8@5595.21,5634.77
SNS_P11: R18.1 U2.7 U16.8 | length 759.8
  Top Layer w10: U2.7 4943.07,5065.6 4988.73,5111.26 5148.73,5111.26 v1(5182.79,5145.32) ; v1(5562.79,5175.32) 5563.93,5175.32 U16.8
  Inner2 w10: v1(5182.79,5145.32) 5532.79,5145.32 v1(5562.79,5175.32)
SNS_P22: R19.1 U3.7 U17.8 | length 520.3
  Top Layer w10: U3.7 4955.19,5537 5007.21,5589.03 5007.21,5865.21 U17.8
SWCLK: H1.4 U10.49 | length 465.4
  Top Layer w10: v1(4049.45,4671.26) 4058.72,4661.99 U10.49
  Bottom Layer w10: H1.4 4009.45,4711.26 v1(4049.45,4671.26)
SWDIO: H1.3 U10.46 | length 614.9
  Top Layer w10: v1(4170.53,4807.83) 4190.53,4807.83 4220.53,4777.83 U10.46
  Inner2 w10: H1.3 4167.11,4811.26 v1(4170.53,4807.83)
USB_DM: R4.1 USB1.A7 USB1.B7 | length 957.8
  Top Layer w10: USB1.A7 3847.45,4426.29 3856.69,4435.53 3856.69,4456.44 3847.46,4465.66 ; USB1.B7 3847.46,4465.66 ; R4.1 4299.42,4970.95 4190.89,4970.95 3955.36,4735.42 3955.36,4534.2 3892.49,4471.33 3853.13,4471.33 3847.46,4465.66
USB_DP: R5.1 USB1.A6 USB1.B6 | length 950.5
  Top Layer w10: 4049.49,4806.92 3971.36,4728.79 3971.36,4527.57 3853.19,4409.41 3797.85,4409.41 3791.41,4415.84 3791.41,4436.75 3797.85,4443.18 ; 4049.73,4806.67 4097.83,4806.67 4156.6,4865.44 4156.6,4875.44 4146.96,4885.09 4141.56,4885.09 4137.91,4888.74 4137.91,4893.91 4141.56,4897.56 4153.26,4897.56 4160.33,4904.63 4160.33,4917.76 4196.47,4953.9 R5.1 ; 3797.85,4443.18 3821.25,4443.18 USB1.A6 3800.65,4445.98 3797.85,4443.18
VBAT: C4.1 C5.1 U2.4 U2.11 U3.4 U3.11 U18.1 | length 3264
  Top Layer w10: U2.4 4931.89,4988.82 v1(4941.98,4978.73) ; U3.11 4901.74,5647.21 4928.56,5647.21 4938.95,5657.6 4938.95,5684.43 4948.78,5694.25 v1(4948.78,5728.31)
  Top Layer w15.75: U3.4 4897.76,5464.09 4931.62,5464.09 4943.89,5451.82 4943.89,5370.7 4894.45,5321.26 4894.45,5287.96
  Top Layer w23.62: v1(4782.75,5227.96) 4817.46,5227.96 4825.77,5236.26 4831.05,5236.26 4840.1,5245.3 4840.1,5254.89 4882.11,5296.9 4885.5,5296.9 4894.45,5287.96 4902.75,5296.26 4924.45,5296.26 4944.61,5276.1 4944.61,5184.13 4929.48,5169 4923.02,5169 4922.75,5168.73 4892.75,5168.73 U2.11
  Top Layer w98.43: U18.1@3778.51,5300.46 3856.78,5222.19 C5.1 C4.1
  Inner2 w27.56: 4722.75,5167.96 v1(4782.75,5227.96) 5036.61,5481.82 5036.61,5640.47 v1(4948.78,5728.31)
  Inner2 w39.37: C5.1 4126.87,5153.84 4708.63,5153.84 4722.75,5167.96
  Bottom Layer w23.62: v1(4782.75,5227.96) 4891.98,5118.73 4891.98,5018.73 4931.98,4978.73 v1(4941.98,4978.73)
pads on no net: SCREW1.1 SCREW2.1 SCREW3.1 SCREW4.1 U2.1 U2.2 U2.3 U2.12 U2.13 U2.19 U2.21 U2.29 U3.1 U3.2 U3.3 U3.12 U3.13 U3.19 U3.21 U3.29 U4.4 U5.4 U10.2 U10.3 U10.4 U10.8 U10.9 U10.10 U10.11 U10.26 U10.27 U10.28 U10.29 U10.30 U10.35 U10.36 U10.40 U10.50 U10.51 U10.52 U10.53 U10.54 U10.55 U10.56 U10.57 U10.58 U10.62 U16.4 U17.4 USB1.13 USB1.14 USB1.A8 USB1.B4A9 USB1.B8
copper on no net:
  other v2: 4759.47,5019.34 4798.84,5019.34 4759.47,5058.71 4798.84,5058.71 4759.47,5098.08 4798.84,5098.08 4759.47,5137.45 4798.84,5137.45 4761.38,5490.74 4800.75,5490.74 4761.38,5530.11 4800.75,5530.11 4761.38,5569.48 4800.75,5569.48 4761.38,5608.85 4800.75,5608.85

## Polygon pours and split planes (outlines as drawn)
GND on Inner1 (solid, remove dead copper): 3000,6920 6860,6920 6860,3000 3000,3000

## Keep-outs
Board Outline Layer:
  lines w10: 3589.84,3790 ccw(c3668.58,3790) 3668.58,3711.26 5900.71,3711.26 ccw(c5900.71,3790) 5979.45,3790 5979.45,5972.13 ccw(c5900.71,5972.13) 5900.71,6050.87 3668.58,6050.87 ccw(c3668.58,5972.13) 3589.84,5972.13 3589.84,3790

## Silkscreen, mask and mechanical layers (free items; w line width, h text height)
Top Silkscreen Layer:
  text "Made By Salahddine Handaji" at 3625.08,5934.96 h47.24
  text "EOTS" at 3629.09,5878.74 h39.37
  text "M1" at 4408.15,5860.67 h47.24
  text "M2" at 4755.51,5860.67 h47.24
  text "CS_IMU" at 5576.73,5836.57 h39.37
  text "IMU" at 5560.67,5754.25 h39.37 r90
  text "MOSI" at 5616.89,5738.19 h39.37
  text "-" at 3749.57,5734.17 h78.74
  text "MISO" at 5617.84,5632.46 h39.37
  text "SCK" at 5642.99,5539.41 h39.37
  text "GND" at 5630.94,5439.02 h39.37
  text "5V" at 5634.96,5342.64 h39.37
  text "CSN1" at 5621.84,5095.32 h39.37
  text "MOSI" at 5614.51,4998.16 h39.37
  text "3.3V" at 3723.46,4973.19 h47.24
  text "MISO" at 5615.45,4892.43 h39.37
  text "GND" at 3725.47,4870.79 h47.24
  text "SCK" at 5640.61,4799.38 h39.37
  text "SWDIO" at 3723.93,4765.51 h47.24
  text "GND" at 5628.56,4698.99 h39.37
  text "ENCO1" at 5596.81,4684.06 h39.37 r90
  text "SWCLK" at 3723.46,4667.99 h47.24
  text "5V" at 5632.58,4602.61 h39.37
  text "CSN2" at 5606.85,4358.78 h39.37
  text "ENCO2" at 5598.82,4268.43 h39.37 r90
  text "MOSI" at 5612.5,4255.25 h39.37
  text "MISO" at 5613.44,4149.52 h39.37
  text "SCK" at 5638.6,4056.47 h39.37
  text "GND" at 5626.55,3956.08 h39.37
  text "5V" at 5630.57,3859.7 h39.37
  text "FOC BOARD DRIVER V1.1" at 3629.09,3722.28 h120
Bottom Silkscreen Layer:
  drawing of 234 lines, arcs and shapes, not listed